# Altium PCB counter.PcbDoc (continued)
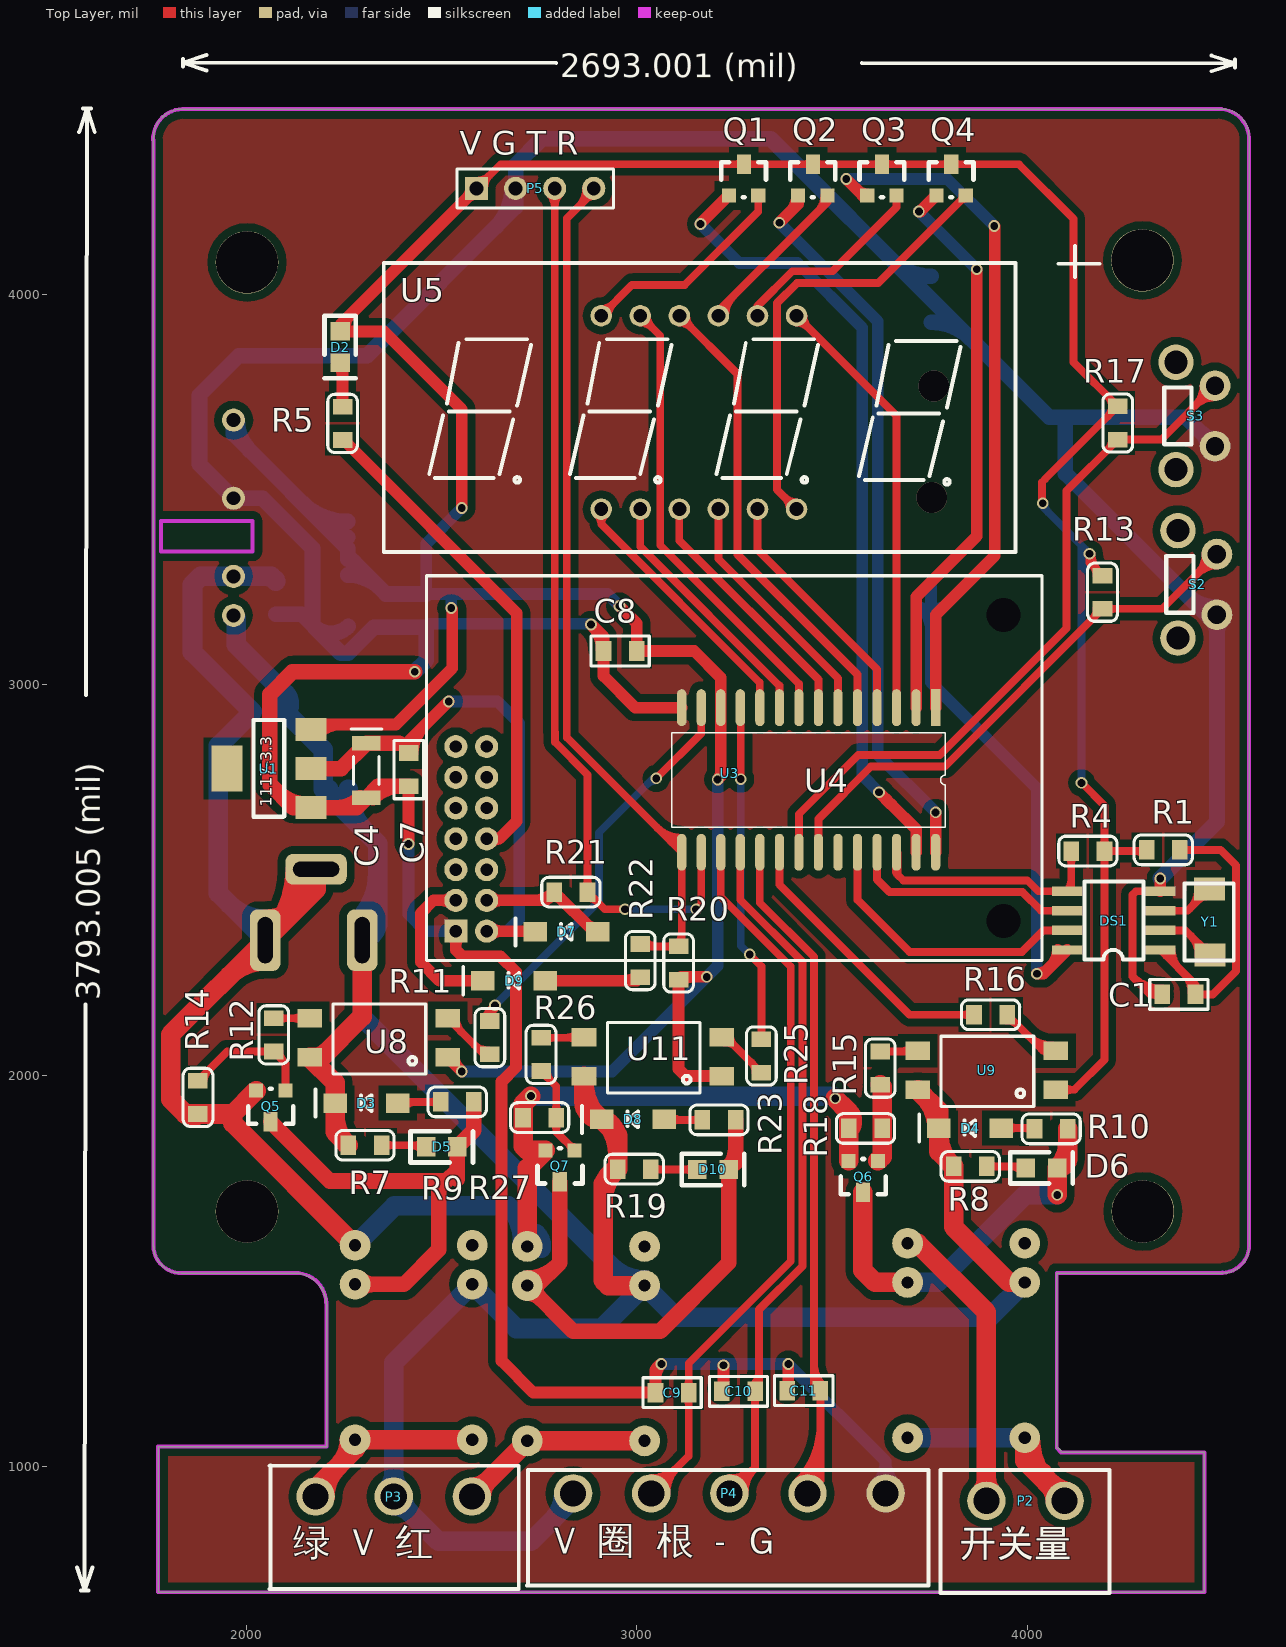
[diagram p0: Top Layer view]
## Nets (pads, with @x,y where several pads share a name; then routed paths per layer and width w, separated by ;. In a path a pad name is that pad's centre, name@x,y a point inside that pad or via, vN(x,y) a via of type N, cw(c..) or ccw(c..) an arc to the next point about the centre after c; other vN are vias at no path point)
COUNT_NUM: C10.2 P4.3 U4.18 | length 2013.5
  Top Layer w20: P4.3 3303,997 ; P4.3@3237.4,970.21 ccw(c3238.32,1061.67) 3303,997 ; U4.18 3265,2450.57 3424,2291.57 3424,1512.57 3313,1401.57 3313,1202 C10.2 3303,997 ; P4.3@3276.21,931.4 cw(c3367.67,932.32) 3303,997 ; C10.2@3295.93,1179.93 cw(c3278.86,1162.86) 3303,1162.86 cw(c3327.14,1162.86) C10.2@3310.07,1179.93 ; C10.2@3295.93,1204.07 ccw(c3254.72,1245.28) 3313,1245.28
CTR: R16.2 U4.20 | length 756.6
  Top Layer w20: U4.20 3365,2489.28 3698.28,2156 R16.2 ; R16.2@3855.93,2148.93 ccw(c3838.86,2131.86) 3838.86,2156 ccw(c3838.86,2180.14) R16.2@3855.93,2163.07
CYCLE: C11.2 P4.4 U4.19 | length 2217.3
  Top Layer w20: U4.19 3315,2443 3454,2304 3454,1210 C11.2 3470,964 P4.4 ; P4.4@3409.27,958.73 ccw(c3262.66,1105.34) 3470,1105.34 ; P4.4@3423.41,944.59 ccw(c3310.95,1057.05) 3470,1057.05 ; P4.4@3437.56,930.44 ccw(c3359.23,1008.77) 3470,1008.77 ; C11.2@3454,1213.49 ccw(c3484.49,1213.49) C11.2@3462.93,1191.93 ; 3454,1261.77 ccw(c3532.77,1261.77) C11.2@3477.07,1206.07 ; C11.2@3462.93,1181.93 cw(c3445.86,1164.86) 3470,1164.86 cw(c3494.14,1164.86) C11.2@3477.07,1181.93
DS_I/O: DS1.6 U4.25 | length 589.9
  Top Layer w20: U4.25 3615,2502 3647,2470 3987,2470 4035,2422 DS1.6
DS_RST: DS1.5 R4.2 U4.26 | length 708.5
  Top Layer w20: U4.26 3667,2569.92 3667,2515 ; U4.26@3666.36,2535.29 ccw(c3677.49,2525.49) 3667,2515 ; DS1.5@4100.61,2473.28 ccw(c4073.11,2500.78) 4112,2500.78 ; R4.2@4104.93,2562.93 cw(c4087.86,2545.86) 4112,2545.86 cw(c4136.14,2545.86) R4.2@4119.07,2562.93 ; R4.2 4112,2482.11 DS1.5 4027.43,2472 3999.43,2500 3682,2500 3667,2515
DS_SCLK: DS1.7 U4.24 | length 736.7
  Top Layer w20: U4.24 3565,2450 3698,2317 3986,2317 4041,2372 DS1.7
GND: BAT1.2 C1.1 C3.2 C4.2 C6.1 C7.1 C8.1 C9.1 C10.1 C11.1 DS1.4 P4.5 P5.2 R24.1 S2.1 S3.1 U1.1 U2.3 U3.1 U4.14 | length 12869.9
  Top Layer w20: 4302.67,2220.33 ccw(c4344.51,2262.17) C1.1@4345.1,2203 ; C1.1@4337.93,2200.93 ccw(c4320.86,2183.86) 4320.86,2208 ccw(c4320.86,2232.14) C1.1@4337.93,2215.07 ; DS1.4 4278,2472 4269,2463 4269,2254 ; C1.1@4344.9,2223 cw(c4343.85,2328.84) 4269,2254 ; C1.1 4315,2208 4269,2254
  Top Layer w30: v1(2416,2593) 2416,2740 C7.1 ; U3.1@2526.73,2359.73 cw(c2501.93,2334.93) 2537,2334.93 cw(c2572.07,2334.93) U3.1@2547.27,2359.73 ; U3.1 2537,2322 2553,2306 2651,2306 2691,2266 2691,2022 2654,1985 2654,1270 2735,1189 C9.1 3048,1247 v1(3063,1262) ; v1(2883,3155) 2915,3123 C8.1 2915,3023 2996,2942 U4.14 ; v1@2884.54,3153.46 cw(c2823.09,3092) C8.1@2910,3092 ; 3048,1225.79 cw(c3099.21,1225.79) v1(3063,1262) ; 3048,1240.79 cw(c3070.5,1240.79) v1(3063,1262) ; C10.1@3214.46,1200.54 ccw(c3196.27,1218.73) 3222,1218.73 ; C10.1 3222,1196 v1(3222,1259) ; C11.1 3388,1197 v1(3388,1262) ; DS1.4 v1(4340,2505)
  Top Layer w40: 2079.88,2727.12 ccw(c2156.16,2803.41) U1.1@2156.16,2695.53 ; 2232.78,2686 ccw(c2232.78,2768.62) C4.2@2291.2,2710.2 ; C4.2@2291.57,2711.28 cw(c2261.35,2707.54) 2282.88,2686 ; C4.2@2324.42,2711.12 cw(c2364.05,2711.12) 2336.03,2739.14 ; C4.2@2324.8,2712.04 cw(c2394.72,2642.11) C7.1@2394.72,2741 ; C7.1 2337.88,2741 C4.2 2282.88,2686 ; v1(2432,3034) 2119,3034 2061,2976 2061,2746 2121,2686 U1.1 2282.88,2686
  Bottom Layer w30: v1(2416,2593) 2416,2413 2459,2370 U3.1 ; C6.1 2470,3157 2881,3157 v1(2883,3155) ; U3.1@2526.73,2359.73 ccw(c2501.93,2334.93) 2501.93,2370 ccw(c2501.93,2405.07) U3.1@2526.73,2380.27 ; v1(3063,1262) v1@3222,1262 ; v1(3222,1259) v1@3222,1262 ; P4.5@3612.93,955.32 ccw(c3555.85,1012.99) 3637,1012.99 ; P4.5 3637,1013 ; P4.5@3661.07,955.32 cw(c3718.15,1012.99) 3637,1012.99 ; 4097,3683 4099,3685 ; v1@3222,1262 v1(3388,1262) 3637,1013
  Bottom Layer w40: R24.1 2143,3181 2170,3154 2170,3350 2042,3478 U2.3 1881,3565 1881,3742 1982,3843 2310,3843 2690,4223 P5.2 2690,4331 2757,4398 3343,4398 BAT1.2 4056,3685 4095,3685 ; C3.2@2261.3,3150.08 cw(c2217.61,3194.61) 2173.5,3150.5 2242.59,3081.41 C3.2 2327.67,3148 C6.1 2461,3063 v1(2432,3034) ; 2639.79,4172.79 ccw(c2541.59,4271) P5.2@2680.47,4271 ; 3653.72,4087.28 ccw(c3754,4187.55) BAT1.2@3754,4045.74 ; BAT1.2@3754,3928.26 cw(c3754,3786.45) 3854.28,3886.72 ; 4097,3683 4097,3541 4458,3180 S2.1 4485,2650 v1(4340,2505) ; 4099,3685 4406,3685 S3.1 ; 4405.84,3232.16 ccw(c4485,3311.32) S2.1@4485,3199.37 ; S3.1@4460.63,3611 ccw(c4413.87,3611) 4446.93,3644.07 ccw(c4480,3677.13) S3.1@4480,3630.37 ; S2.1@4471.3,3166.3 cw(c4438.24,3133.24) 4485,3133.24 cw(c4531.76,3133.24) S2.1@4498.7,3166.3
GND12V: C2.2 C5.2 J1.2 J1.3 Q5.E Q6.E Q7.E R14.1 R18.1 R24.2 R27.1 U2.2 U6.3 U10.3 | length 5659.4
  Top Layer w50: 1834.44,1912.56 ccw(c1872,1950.11) R14.1@1872,1897 ; 1957.54,2255.43 cw(c2049.28,2163.69) J1.2@2049.28,2293.43 ; Q5.E 1966,1902 ; J1.2@2049.28,2400.91 ccw(c2049.28,2530.65) 2141.02,2438.91 ; J1.2@2051.26,2349.15 ccw(c1872.15,2528.27) J1.3@2125.46,2528.27 ; 2136.62,2434.51 ccw(c2042.86,2528.27) J1.3@2175.46,2528.27 ; J1.3 2179.2,2477.09 J1.2 1807,2104.89 1807,1940 1845,1902 R14.1 1966,1902 ; U6.3 1966,1879 1966,1902 ; U10.3 2720,1763 Q7.E 2720,1809 2709,1820 R27.1 2709,1928 v1(2729,1948) ; v1(3508,1942) 3542,1908 ; 3525.37,1924.63 cw(c3470.75,1870) R18.1@3548,1870 ; Q6.E 3542,1908 ; R18.1@3547.33,1867.5 ccw(c3518.28,1884.28) 3542,1908
  Bottom Layer w50: 1957.54,2438.91 ccw(c2049.28,2530.65) J1.2@2049.28,2400.91 ; J1.2 1929.41,2467.03 C2.2 1929.41,2844.41 C5.2 1863,3084 1863,3257 1884,3278 U2.2 2064,3278 R24.2 ; R24.2@2054.1,3278 cw(c2054.1,3249.1) R24.2@2074.54,3269.53 ; U6.3 2380,1667 2671,1667 ; U10.3@2705.75,1564.86 ccw(c2584.64,1580.64) 2671,1667 ; U10.3 2720,1618 2671,1667 ; v1(2729,1948) 3502,1948 v1(3508,1942) ; 2742.82,1595.18 cw(c2711.71,1564.08) U10.3@2755.33,1558.4
KEY1: R13.1 S2.2 U4.22 | length 1563.7
  Top Layer w20: U4.22 3465,2657 3599,2791 3788,2791 R13.1 4345,3195 S2.2 ; 4166.39,3169.39 ccw(c4140.79,3195) R13.1@4177,3195 ; R13.1@4204.07,3187.93 cw(c4221.14,3170.86) 4221.14,3195 cw(c4221.14,3219.14) R13.1@4204.07,3202.07 ; S2.2@4455.63,3335 cw(c4384.72,3335) 4434.86,3284.86 cw(c4485,3234.72) S2.2@4485,3305.63
KEY2: R17.1 S3.2 U4.21 | length 2000.2
  Top Layer w20: U4.21 3415,2669 3567,2821 3775.57,2821 4100,3145.43 4100,3497 R17.1 4342,3628 S3.2 ; 4205.39,3602.39 ccw(c4179.79,3628) R17.1@4216,3628 ; R17.1@4243.07,3620.93 cw(c4260.14,3603.86) 4260.14,3628 cw(c4260.14,3652.14) R17.1@4243.07,3635.07 ; S3.2@4450.63,3766 cw(c4379.72,3766) 4429.86,3715.86 cw(c4480,3665.72) S3.2@4480,3736.63
LED1: R25.1 U4.11 | length 909.3
  Top Layer w20: U4.11 3266,2941 v1(3266,2759) ; v1(3289,2310) 3319,2280 R25.1 ; R25.1@3311.93,2100.07 ccw(c3294.86,2117.14) 3319,2117.14 ccw(c3343.14,2117.14) R25.1@3326.07,2100.07
  Bottom Layer w20: v1(3266,2759) 3266,2333 v1(3289,2310)
LED1A: P3.3 U10.1 | length 593
  Top Layer w50: P3.3 2720,1065 2720,1065.36 U10.1@3020,1065.36 ; P3.3@2578,947.21 ccw(c2578,1005.67) 2619.33,964.33 ccw(c2660.67,923) P3.3@2602.21,923
LED2: R11.1 U4.13 | length 1327.7
  Top Layer w20: R11.1@2616.93,2147.07 ccw(c2599.86,2164.14) 2624,2164.14 ccw(c2648.14,2164.14) R11.1@2631.07,2147.07 ; R11.1@2621.66,2133.21 cw(c2638.65,2148.92) 2622.29,2165.29 ; R11.1@2624,2137.94 cw(c2677.13,2137.94) v1@2640.45,2176.38 ; R11.1 2624,2167 v1(2637,2180) ccw(c2653.95,2163.05) R11.1@2636.34,2146.79 ; 2624,2161.62 cw(c2637.39,2161.62) v1@2637.11,2175 ; v1(3050,2761) 3165,2876 U4.13 ; R11.1@2621.65,2132.28 cw(c2684.36,2131.6) 2640.5,2176.43 ccw(c2684.36,2131.6) R11.1@2621.65,2132.28
  Bottom Layer w20: v1(2637,2180) 2903,2446 2903,2622 3042,2761 v1(3050,2761) ; 3027.81,2746.81 cw(c3050,2724.62) v1@3050,2756
LED2A: P3.1 U6.1 | length 644.5
  Top Layer w50: P3.1 2178,943 2279,1044 2279,1068.36 U6.1@2579,1068.36 ; P3.1@2202.21,923 cw(c2308.95,923) 2233.48,998.48 ; 2237.24,1002.24 ccw(c2171.12,1068.36) U6.1@2264.63,1068.36
NetBAT1_1: BAT1.1 DS1.8 | length 1413.4
  Top Layer w30: 4052.83,2272.94 cw(c4024,2301.78) v1(4024,2261) 4040.89,2261 DS1.8 ; 4060.29,2280.4 ccw(c4018.69,2322) DS1.8@4077.52,2322
  Bottom Layer w30: BAT1.1@3728.81,3197.28 cw(c3670.4,3138.88) 3753,3138.88 cw(c3835.6,3138.88) BAT1.1@3777.19,3197.28 ; BAT1.1 3753,3007 4024,2736 v1(4024,2261)
NetC1_2: C1.2 DS1.1 R1.1 | length 915
  Top Layer w20: DS1.1 4430,2232 C1.2 4474,2208 4534,2268 4534,2538 4494,2578 R1.1 ; DS1.1@4349.37,2322 ccw(c4371.99,2322) 4356,2306 ; DS1.1@4369.37,2322 ccw(c4440.28,2322) 4390.14,2271.86 ; R1.1@4397.07,2570.93 cw(c4414.14,2553.86) 4414.14,2578 cw(c4414.14,2602.14) R1.1@4397.07,2585.07 ; 4399.49,2262.51 cw(c4349.99,2213) C1.2@4420,2213 ; C1.2@4437.07,2200.93 cw(c4454.14,2183.86) 4454.14,2208 cw(c4454.14,2232.14) C1.2@4437.07,2215.07
NetD2_K: D2.K R5.2 | length 145.3
  Top Layer w30: D2.K@2235.89,3818.9 cw(c2209.06,3792.08) 2247,3792.08 ; D2.K 2247,3819 R5.2
NetD3_A: D3.A R9.1 | length 206
  Top Layer w20: D3.A 2391,1933 R9.1 ; D3.A@2403.61,1919.39 cw(c2436.46,1886.54) 2436.46,1933 ; D3.A@2403.61,1940.61 ccw(c2421.97,1958.97) 2421.97,1933 ; R9.1@2490.93,1925.93 ccw(c2473.86,1908.86) 2473.86,1933 ccw(c2473.86,1957.14) R9.1@2490.93,1940.07
NetD4_A: D4.A R10.2 | length 164.2
  Top Layer w20: D4.A R10.2@4016,1866 ; D4.A@3948.61,1855.39 cw(c3974.21,1829.79) 3974.21,1866 cw(c3974.21,1902.21) D4.A@3948.61,1876.61 ; 3989.03,1866 cw(c3989.03,1835.03) R10.2@4010.93,1856.93
NetD5_A: D5.A R7.2 | length 205.2
  Top Layer w20: R7.2 2457,1822 D5.A ; R7.2@2354.07,1814.93 cw(c2371.14,1797.86) 2371.14,1822 cw(c2371.14,1846.14) R7.2@2354.07,1829.07 ; 2420.83,1822 cw(c2420.83,1778.82) D5.A@2451.37,1809.35 ; 2435.39,1822 ccw(c2435.39,1844.59) D5.A@2451.37,1828.62
NetD5_K: D5.K Q5.C R9.2 U6.5 | length 1275.9
  Top Layer w40: Q5.C 2214.5,1730.5 2512.5,1730.5 ; U6.5 2404,1466 2493,1555 2493,1711 2512.5,1730.5 ; U6.5@2292.7,1452.3 cw(c2325.76,1419.24) 2325.76,1466 cw(c2325.76,1512.76) U6.5@2292.7,1479.7 ; 2541,1735 2541,1759 ; R9.2 2583,1860 D5.K 2541,1759 ; 2512.5,1730.5 2541,1759
NetD6_A: D6.A R8.1 | length 185.6
  Top Layer w20: R8.1 D6.A@3992,1768 ; R8.1@3903.07,1760.93 cw(c3920.14,1743.86) 3920.14,1768 cw(c3920.14,1792.14) R8.1@3903.07,1775.07 ; 3955.83,1768 cw(c3955.83,1724.82) D6.A@3986.37,1755.35 ; 3970.39,1768 ccw(c3970.39,1790.59) D6.A@3986.37,1774.62
NetD6_K: D6.K Q6.C R10.1 U7.5 | length 1095.2
  Top Layer w50: Q6.C 3579,1502 3610,1471 U7.5 ; v1(4076,1695) D6.K 4103,1791 ; D6.K@4076.02,1763.61 ccw(c4075.6,1791) 4103,1791 ; D6.K@4076.97,1764.01 ccw(c4014.14,1826.84) 4103,1826.84 ; R10.1 4103,1791
  Bottom Layer w50: U7.5 3770,1471 3994,1695 v1(4076,1695)
NetD8_A: D8.A R23.1 | length 193.2
  Top Layer w20: D8.A 3071,1887 R23.1 ; D8.A@3085.61,1877.39 cw(c3108.8,1854.2) 3108.8,1887 ; D8.A@3085.61,1898.61 ccw(c3113.63,1926.63) 3113.63,1887 ; R23.1@3160.93,1879.93 ccw(c3143.86,1862.86) 3143.86,1887 ccw(c3143.86,1911.14) R23.1@3160.93,1894.07
NetD9_A: D9.A R22.2 | length 280.3
  Top Layer w30: D9.A 3000,2243 R22.2 ; 2970.2,2243 ccw(c2970.2,2285.8) R22.2@3000.46,2255.54
NetD10_A: D10.A R19.2 | length 207.6
  Top Layer w20: R19.2@3037,1760 D10.A ; R19.2@3043.07,1753.93 cw(c3057.73,1739.27) 3057.73,1760 ; R19.2@3043.07,1768.07 ccw(c3062.56,1787.56) 3062.56,1760 ; D10.A@3145.37,1750.37 ccw(c3122.11,1727.11) 3122.11,1760 ccw(c3122.11,1792.89) D10.A@3145.37,1769.63
NetD10_K: D10.K Q7.C R23.2 U10.5 | length 1537.2
  Top Layer w40: U10.5@2720,1443.63 cw(c2720,1396.87) 2753.07,1429.93 cw(c2786.13,1463) U10.5@2739.37,1463 ; U10.5@2720,1482.37 ccw(c2720,1589.49) 2795.74,1513.74 ; Q7.C 2803,1521 2745,1463 U10.5 2837,1346 3060,1346 3235,1521 3235,1716 D10.K 3253,1778 R23.2 ; D10.K@3232.44,1763.55 ccw(c3182.8,1813.18) 3253,1813.18
NetDS1_2: DS1.2 Y1.1 | length 227.1
  Top Layer w20: DS1.2 4404,2372 Y1.1 ; 4416.86,2359.14 cw(c4366.72,2309) Y1.1@4437.63,2309 ; Y1.1@4440.62,2335.38 ccw(c4457.16,2351.91) Y1.1@4457.16,2328.53
NetDS1_3: DS1.3 Y1.2 | length 223.2
  Top Layer w20: DS1.3 4410,2422 Y1.2 ; 4415.86,2427.86 ccw(c4365.72,2478) Y1.2@4436.63,2478 ; Y1.2@4439.62,2451.62 cw(c4456.16,2435.09) Y1.2@4456.16,2458.47
NetP2_1: P2.1 U7.3 | length 849.7
  Top Layer w50: U7.3 3719,1571 3895,1395 P2.1 ; P2.1@3877.88,929.12 ccw(c3836.55,970.45) 3895,970.45 ccw(c3953.45,970.45) P2.1@3912.12,929.12
NetP2_2: P2.2 U7.1 | length 858.8
  Top Layer w50: U7.1@3993,1073.36 3993,1014 P2.2 ; U7.1@4007.37,1073.36 ccw(c4185.38,1073.36) 4059.51,947.49 ; 4038.84,983.29 ccw(c4127.88,1034.69) P2.2@4101.27,935.39 ; 4055.76,953.99 ccw(c4087.38,972.24) P2.2@4091.96,936.02 ; P2.2@4070.79,912 ccw(c4012.33,912) 4053.67,953.33 ccw(c4095,994.67) P2.2@4095,936.21
  Bottom Layer w50: U7.1@3693,1073.36 U7.1@3993,1073.36
NetQ1_E: Q1.E U5.12 | length 650.5
  Top Layer w20: U5.12 2988,4024 3123,4024 3311,4212 Q1.E ; U5.12@2909,3962.56 ccw(c2909,4004.95) 2938.98,3974.98 ccw(c2968.95,3945) U5.12@2926.56,3945 ; Q1.E@3305.34,4247.34 cw(c3291.69,4233.69) 3311,4233.69 cw(c3330.31,4233.69) Q1.E@3316.66,4247.34
NetQ2_E: Q2.E U5.9 | length 527
  Top Layer w20: U5.9 3209,3957 3441,4189 3488,4236 Q2.E ; U5.9@3226.56,3945 cw(c3297.92,3945) 3247.46,3995.46 ; 3462.32,4210.32 ccw(c3419.64,4253) Q2.E@3480,4253
NetQ3_E: Q3.E U5.8 | length 546.1
  Top Layer w20: U5.8 3309,3970 3398,4059 3501,4059 3665,4223 Q3.E ; Q3.E@3659.34,4247.34 cw(c3645.69,4233.69) 3665,4233.69 cw(c3684.31,4233.69) Q3.E@3670.66,4247.34
NetQ4_E: Q4.E U5.6 | length 1242.3
  Top Layer w20: U5.6@3391.44,3450 ccw(c3349.05,3450) 3379.02,3479.98 ccw(c3409,3509.95) U5.6@3409,3467.56 ; U5.6 3359,3500 3359,3977.57 3410.43,4029 3618,4029 3707,4118 Q4.E ; Q4.E@3834,4253 cw(c3814.69,4253) 3828.34,4239.34 cw(c3842,4225.69) Q4.E@3842,4245
NetQ5_B: Q5.B R12.2 R14.2 | length 462.6
  Top Layer w20: R14.2 1952,2062 R12.2 2101,2032 Q5.B ; R14.2@1892,1987 cw(c1928.21,1987) 1902.61,2012.61 ; R12.2@2058.93,2054.93 ccw(c2041.86,2037.86) 2041.86,2062 ccw(c2041.86,2086.14) R12.2@2058.93,2069.07 ; R12.2@2086,2062 ccw(c2122.21,2062) 2096.61,2036.39 ; Q5.B@2095.34,1967.66 ccw(c2081.69,1981.31) 2101,1981.31 ccw(c2120.31,1981.31) Q5.B@2106.66,1967.66
NetQ6_B: Q6.B R15.1 R18.2 | length 201.6
  Top Layer w50: Q6.B 3628,1793 R18.2 3628,1972 R15.1
NetQ7_B: Q7.B R26.2 R27.2 | length 373.2
  Top Layer w20: R26.2 2794,1973 R27.2 2794,1856 Q7.B ; R26.2@2770,2012 ccw(c2806.21,2012) 2780.61,1986.39 ; R27.2@2786.93,1880.93 cw(c2769.86,1863.86) 2794,1863.86 cw(c2818.14,1863.86) R27.2@2801.07,1880.93 ; R27.2@2786.93,1905.07 ccw(c2769.86,1922.14) 2794,1922.14 ccw(c2818.14,1922.14) R27.2@2801.07,1905.07 ; Q7.B@2833,1809 ccw(c2813.69,1809) 2827.34,1822.66 ccw(c2841,1836.31) Q7.B@2841,1817
NetR5_1: R5.1 U3.8 | length 1307.2
  Top Layer w30: R5.1 2250,3627 2693,3184 2693,2651 2648.22,2606.22 ; U3.8 2648.22,2606.22 ; U3.8@2626.57,2596.54 cw(c2648.22,2577.18) 2648.22,2606.22 ; U3.8@2626.57,2615.91 ccw(c2648.22,2635.27) 2648.22,2606.22
NetR11_2: R11.2 U8.2 | length 226.7
  Top Layer w20: U8.2 2608,2055 R11.2 ; U8.2@2537.5,2147 ccw(c2589.39,2147) 2552.7,2110.3 ; 2583.15,2079.85 ccw(c2619,2115.7) R11.2@2619,2065
NetR12_1: R12.1 U8.3 | length 181.6
  Top Layer w20: R12.1 U8.3 ; R12.1@2083.07,2139.93 cw(c2100.14,2122.86) 2100.14,2147 cw(c2100.14,2171.14) R12.1@2083.07,2154.07 ; U8.3@2145.49,2137.37 ccw(c2122.24,2114.11) 2122.24,2147 ccw(c2122.24,2179.89) U8.3@2145.49,2156.63
NetR15_2: R15.2 U9.3 | length 183.6
  Top Layer w20: R15.2 U9.3@3717,2062 ; R15.2@3635.07,2054.93 cw(c3652.14,2037.86) 3652.14,2062 cw(c3652.14,2086.14) R15.2@3635.07,2069.07 ; 3673.41,2062 ccw(c3673.41,2101.71) U9.3@3701.49,2073.63 ; 3683.07,2062 cw(c3683.07,2035.94) U9.3@3701.49,2054.37
NetR16_1: R16.1 U9.2 | length 325.7
  Top Layer w20: R16.1@3948,2141 cw(c3948,2104.79) 3973.61,2130.39 ; R16.1 4040,2064 ; 3999.69,2104.31 ccw(c4064.13,2168.75) U9.2@4064.13,2077.62 ; 4033.83,2070.17 ccw(c4064.13,2100.47) U9.2@4064.13,2057.62 ; U9.2@4052.46,2056.96 ccw(c4040,2049.45) 4040,2064 ; U9.2@4052.46,2071.04 cw(c4040,2078.55) 4040,2064 ; U9.2 4040,2064
NetR25_2: R25.2 U11.2 | length 218.8
  Top Layer w20: U11.2 3228,2099 R25.2 ; U11.2@3225.87,2085.38 cw(c3225.87,2047.36) 3252.76,2074.24 ; U11.2@3239.5,2099 ccw(c3267.25,2099) U11.2@3247.62,2079.38 ; 3293.39,2033.61 cw(c3267.79,2008) R25.2@3304,2008
NetR26_1: R26.1 U11.3 | length 200.4
  Top Layer w20: R26.1 2863,2097 U11.3 ; R26.1@2767.07,2089.93 cw(c2784.14,2072.86) 2784.14,2097 cw(c2784.14,2121.14) R26.1@2767.07,2104.07 ; 2819.41,2097 ccw(c2819.41,2136.71) U11.3@2847.49,2108.63 ; 2829.07,2097 cw(c2829.07,2070.94) U11.3@2847.49,2089.37
P10: U4.3 U5.7 | length 1175.6
  Top Layer w20: U5.7@3409,3927.44 cw(c3409,3885.05) 3438.98,3915.02 cw(c3468.95,3945) U5.7@3426.56,3945 ; U5.7 3665,3689 U4.3
P11: U4.4 U5.5 | length 634.7
  Top Layer w20: U5.5 3309,3346 3615,3040 U4.4
P12: U4.5 U5.10 | length 1258.5
  Top Layer w20: U5.10@3109,3927.44 cw(c3109,3885.05) 3138.98,3915.02 cw(c3168.95,3945) U5.10@3126.56,3945 ; U5.10 3258,3796 3258,3334 3565,3027 U4.5
P13: U4.6 U5.4 | length 634.7
  Top Layer w20: U5.4 3209,3323 3515,3017 U4.6
P14: U4.7 U5.3 | length 655.5
  Top Layer w20: U5.3 3109,3370 3465,3014 U4.7
P15: U4.8 U5.11 | length 1237.8
  Top Layer w20: U5.11@3009,3927.44 cw(c3009,3885.05) 3038.98,3915.02 cw(c3068.95,3945) U5.11@3026.56,3945 ; U5.11 3060,3894 3060,3358 3415,3003 U4.8
P16: U4.9 U5.2 | length 655.5
  Top Layer w20: U5.2 3009,3354.43 3365,2998.43 U4.9
P17: U4.10 U5.1 | length 732.2
  Top Layer w20: U5.1@2897.62,3436.63 cw(c2876.67,3412) 2909,3412 ; U5.1 2909,3412 ; U5.1@2920.38,3436.63 ccw(c2941.33,3412) 2909,3412 ; U4.10 3315,3006 2909,3412
RES_COUNT: C9.2 P4.2 U4.17 | length 2087.5
  Top Layer w20: P4.2 3133,1027 C9.2 3133,1264 3394,1525 3394,2279.15 3215,2458.15 U4.17 ; P4.2@3037,970.21 ccw(c3037,1064.88) 3103.94,997.94 ccw(c3170.88,931) P4.2@3076.21,931 ; C9.2@3125.93,1176.93 cw(c3108.86,1159.86) 3133,1159.86 cw(c3157.14,1159.86) C9.2@3140.07,1176.93 ; C9.2@3125.93,1201.07 ccw(c3108.86,1218.14) 3133,1218.14 ccw(c3157.14,1218.14) C9.2@3140.07,1201.07
RXD: P5.4 R20.2 R22.1 U4.15 | length 2471.5
  Top Layer w20: 2851.01,4224.01 ccw(c2804.02,4271) P5.4@2870.47,4271 ; 2870.32,4243.32 cw(c2890,4223.64) P5.4@2890,4251.47 ; P5.4 2890,4263 2821,4194 2821,2865.92 U4.15 3115,2339 R20.2 3015,2331 R22.1 ; R22.1@3021.07,2344.07 ccw(c3052.63,2375.63) 3052.63,2331 ; 3051.42,2635.5 ccw(c3115,2699.08) U4.15@3115,2609.17 ; 3085.56,2601.36 ccw(c3115,2630.8) U4.15@3115,2589.17 ; R20.2@3094.93,2323.93 ccw(c3077.86,2306.86) 3077.86,2331 ccw(c3077.86,2355.14) R20.2@3094.93,2338.07 ; R20.2@3104.93,2338.07 ccw(c3080.62,2362.38) 3115,2362.38
TXD: P5.3 R21.1 U4.16 | length 2423.7
  Top Layer w20: P5.3@2776.19,4257.19 cw(c2742.86,4223.86) 2790,4223.86 cw(c2837.14,4223.86) P5.3@2803.81,4257.19 ; P5.3 2790,2880 2791,2879 2791,2853.5 2874,2770.5 R21.1 2918,2426 v1(2970,2426) ; R21.1@2866.93,2482.07 ccw(c2849.86,2499.14) 2874,2499.14 ccw(c2898.14,2499.14) R21.1@2881.07,2482.07 ; R21.1@2874,2455 cw(c2874,2418.79) 2899.61,2444.39 ; v1(3152,2426) 3165,2439 U4.16
  Bottom Layer w20: v1(2970,2426) v1(3152,2426)
UART_RXD: D7.A R21.2 U3.4 | length 508
  Top Layer w30: U3.4 2767.74,2448.74 R21.2 2891,2368 D7.A ; U3.4@2626.01,2438.47 cw(c2650.81,2413.67) 2650.81,2448.74 cw(c2650.81,2483.81) U3.4@2626.01,2459.01 ; 2737.67,2448.74 ccw(c2737.67,2516.33) R21.2@2785.46,2468.54 ; R21.2@2771.93,2452.93 cw(c2789,2435.86) 2789,2460 cw(c2789,2435.86) R21.2@2806.07,2452.93 ; D7.A@2871.1,2387.9 ccw(c2895,2411.8) D7.A@2895,2378
UART_TXD: D9.K U3.3 | length 462.5
  Top Layer w30: U3.3@2526.73,2438.47 ccw(c2501.93,2413.67) 2501.93,2448.74 ccw(c2501.93,2483.81) U3.3@2526.73,2459.01 ; U3.3 2479.74,2448.74 2447,2416 2447,2291 2495,2243 D9.K
VCC2LOW: C2.1 C5.1 D3.K D4.K D8.K J1.1 P3.2 P4.1 R7.1 R8.2 R19.1 U2.1 U6.4 U7.4 U8.4 U9.4 U10.4 U11.4 | length 8543.3
  Top Layer w50: U8.4@2170.87,2045.62 ccw(c2170.87,2095.71) 2206.29,2060.29 ; 2228,1897.01 ccw(c2332.01,1897.01) R7.1@2258.46,1823.46 ; R7.1 2228,1856 D3.K 2228,1982 U8.4 2193,2047 2297.31,2151.31 J1.1 ; U11.4@2865,1984.57 ccw(c3001.57,1984.57) 2905,1888 cw(c2910.31,1933) 2865,1933 ; U11.4 2865,1933 ; 2914,1678.75 cw(c3028.25,1678.75) R19.1@2947.46,1759.54 ; 2914,1707.08 cw(c2972.39,1707.08) R19.1@2949,1760.58 ; 2951,1801.09 ccw(c2828.09,1801.09) 2915,1888 cw(c2891.66,1833.44) 2951,1833.44 ; U10.4 2927,1463 2914,1476 2914,1724 R19.1 2951,1847 D8.K 2865,1933 ; U9.4 3773,1910 D4.K 3773,1806 R8.2 3811,1613 3953,1471 U7.4@3987.82,1471 ; U9.4@3733.35,1949.65 cw(c3649.7,1866) D4.K@3768,1866 ; D4.K@3773,1852.67 ccw(c3890.67,1852.67) R8.2@3807.46,1769.46
  Bottom Layer w50: U2.1@1964.8,3174.8 cw(c1938.96,3148.96) 1975.5,3148.96 ; U2.1 1975.5,3170.5 1975.5,3102.5 2101,2977 ; 2080.54,2997.46 cw(c2019.09,2936) C5.1@2106,2936 ; C5.1@2105.13,2933.19 ccw(c2076.6,2952.6) 2101,2977 ; C2.1@2211.58,2733 ccw(c2244.37,2733) 2221.19,2709.81 ; C2.1@2261.58,2733 ccw(c2415.08,2733) 2306.54,2624.46 ; J1.1@2287.15,2396.7 ccw(c2166.79,2517.05) 2337,2517.05 ; J1.1@2322.5,2361.34 ccw(c2287.5,2396.34) 2337,2396.34 ; P3.2@2360.88,940.12 ccw(c2319.55,981.45) 2378,981.45 ccw(c2436.45,981.45) P3.2@2395.12,940.12 ; P3.2@2378,898.79 cw(c2378,840.33) 2419.33,881.67 cw(c2460.67,923) P3.2@2402.21,923 ; 2785.06,864.06 ccw(c2718.12,931) P4.1@2812.79,931 ; P4.1 2837,916 2729,808 2493,808 P3.2 2378,1265 U6.4 2692,1353 2910,1353 U10.4 ; 2934.01,1512.99 ccw(c3020,1598.97) U10.4@3020,1477.37 ; U7.4 3904,1382 3101,1382 U10.4 ; 2101,2977 C5.1 2198,2834 C2.1 2337,2594 2337,2386.86 J1.1 2297.31,2149.69 2984,1463 U10.4
VCC_3.3V: C4.1 C7.2 D7.K U1.2 U3.2 | length 1563.6
  Top Layer w30: C7.2 2417,2856 v1(2519,2958) ; C7.2@2427,2826 cw(c2523.57,2826) 2455.28,2894.28 ; U3.2 2738,2370 D7.K ; U3.2@2626.01,2359.73 cw(c2650.81,2334.93) 2650.81,2370 cw(c2650.81,2405.07) U3.2@2626.01,2380.27 ; 2706.03,2370 cw(c2706.03,2339.03) D7.K@2727.93,2360.93
  Top Layer w40: U1.2 2243.12,2786 C4.1 2392.12,2850.88
  Bottom Layer w30: v1(2519,2958) 2643,2958 2699,2902 2699,2400 2669,2370 U3.2 ; U3.2@2626.01,2359.73 cw(c2650.81,2334.93) 2650.81,2370 cw(c2650.81,2405.07) U3.2@2626.01,2380.27
VCC_5V: C3.1 C6.2 C8.2 D2.A P5.1 Q1.C Q2.C Q3.C Q4.C R1.2 R4.1 R13.2 R17.2 R20.1 U1.3 U2.4 U4.12 U8.1 U9.1 U11.1 | length 11307.9
  Top Layer w20: P5.1 2652,4333 Q1.C Q2.C Q3.C Q4.C 3978,4333 4118,4193 4118,3826 R17.2 4044.5,3526.5 ; P5.1@2590,4290.53 ccw(c2590,4337.67) 2623.34,4304.34 ccw(c2656.67,4271) P5.1@2609.53,4271 ; Q1.C@3268.34,4327.34 ccw(c3254.69,4313.69) 3254.69,4333 ccw(c3254.69,4352.31) Q1.C@3268.34,4338.66 ; Q1.C@3279.66,4327.34 cw(c3293.31,4313.69) 3293.31,4333 cw(c3293.31,4352.31) Q1.C@3279.66,4338.66 ; Q2.C@3445.34,4327.34 ccw(c3431.69,4313.69) 3431.69,4333 ccw(c3431.69,4352.31) Q2.C@3445.34,4338.66 ; Q2.C@3456.66,4327.34 cw(c3470.31,4313.69) 3470.31,4333 cw(c3470.31,4352.31) Q2.C@3456.66,4338.66 ; Q3.C@3622.34,4327.34 ccw(c3608.69,4313.69) 3608.69,4333 ccw(c3608.69,4352.31) Q3.C@3622.34,4338.66 ; Q3.C@3633.66,4327.34 cw(c3647.31,4313.69) 3647.31,4333 cw(c3647.31,4352.31) Q3.C@3633.66,4338.66 ; Q4.C@3799.34,4327.34 ccw(c3785.69,4313.69) 3785.69,4333 ccw(c3785.69,4352.31) Q4.C@3799.34,4338.66 ; Q4.C@3810.66,4327.34 cw(c3824.31,4313.69) 3824.31,4333 cw(c3824.31,4352.31) Q4.C@3810.66,4338.66 ; 4037,3481.9 ccw(c4055.9,3481.9) v1@4042.54,3468.54 ; 4037,3519 4037,3467 v1(4039,3465) ; U9.1 4120,1964 4197,2041 R4.1 ; U9.1@4089.51,1954.37 cw(c4112.76,1931.11) 4112.76,1964 cw(c4112.76,1996.89) U9.1@4089.51,1973.63 ; v1(4138.5,2749.5) 4197,2691 R4.1 ; v1(4159,3336) 4159,3313 R13.2 ; v1@4164,3336 ccw(c4231.6,3336) R13.2@4183.8,3288.2 ; 4166.39,3305.61 cw(c4140.79,3280) R13.2@4177,3280 ; R4.1@4189.93,2562.93 cw(c4172.86,2545.86) 4197,2545.86 cw(c4221.14,2545.86) R4.1@4204.07,2562.93 ; R4.1@4189.93,2587.07 ccw(c4172.86,2604.14) 4197,2604.14 ccw(c4221.14,2604.14) R4.1@4204.07,2587.07 ; R4.1@4204.07,2567.93 cw(c4221.14,2550.86) 4221.14,2575 cw(c4221.14,2599.14) R4.1@4204.07,2582.07 ; 4205.39,3687.39 ccw(c4179.79,3713) 4216,3713 ccw(c4179.79,3713) 4205.39,3738.61 ; 4276.03,2575 cw(c4276.03,2544.03) R1.2@4297.93,2565.93 ; R1.2@4302,2575 R4.1
  Top Layer w30: U1.3@2179,2899 2384,2899 2528,3043 2528,3194 v1(2525,3197) ; U1.3@2186.12,2875.73 cw(c2242.3,2819.54) 2242.3,2899 ; D2.A@2250.61,3905 cw(c2314.84,3905) 2269.42,3950.42 ; U8.1 v1(2552,2011) ; U8.1@2532.5,2047 ccw(c2572.32,2047) v1@2544.16,2018.84 ; v1(2552,3453) 2552,3706 2353,3905 D2.A 2241,3922 P5.1 ; P5.1@2575.47,4271 cw(c2540.4,4271) 2565.2,4246.2 cw(c2590,4221.4) P5.1@2590,4256.47 ; v1(2956,3202) 3000,3158 C8.2 3147,3087 3215,3019 U4.12 3215,2766 v1(3207,2758) ccw(c3187.69,2777.31) 3215,2777.31 ; R20.1@3115.54,2242.46 cw(c3140.97,2217.03) 3140.97,2253 ; v1(3179,2253) 3114,2253 R20.1 3107,2017 3125,1999 U11.1
  Bottom Layer w20: v1(4039,3465) 4039,3456 4138.5,3356.5 ; v1@4044,3465 ccw(c4077.8,3465) 4053.9,3441.1 ; v1(4138.5,2749.5) 4138.5,3356.5 ; 4138.5,3274.44 cw(c4220.56,3274.44) v1@4162.54,3332.46 ; 4138.5,3322.72 cw(c4172.28,3322.72) v1@4148.39,3346.61 ; v1(4159,3336) 4138.5,3356.5
  Bottom Layer w30: 2520,3233 2525,3228 v1(2525,3197) ; v1(2552,2011) 2937,2011 v1(3179,2253) 3207,2281 v1(3207,2758) ; v1(2552,3453) 2461,3362 C6.2 2925,3233 v1(2956,3202)
  Bottom Layer w40: U2.4 1968,3642 C3.1 2260,3331 2358,3233 C6.2 ; U2.4@1977.53,3678 ccw(c2087.44,3678) 2009.72,3600.28 ; 2142.92,3467.08 ccw(c2260,3584.16) C3.1@2260,3418.58 ; 2211.21,3398.79 ccw(c2260,3447.59) C3.1@2260,3378.58 ; C3.1@2260,3281.42 cw(c2260,3161.71) 2344.64,3246.36 ; C3.1@2260,3321.42 cw(c2260,3298.28) C3.1@2276.36,3314.64
W1: Q1.B U4.27 | length 2045.6
  Top Layer w30: v1(3163,4180) Q1.B ; v1(3620,2725.5) 3651.5,2694 3652,2694 ; 3639,2707 3652,2694 ; U4.27 3715,2631 3652,2694
  Bottom Layer w30: v1(3163,4180) 3263,4080 3411.43,4080 3577,3914.43 3577,2768.5 v1(3620,2725.5)
W2: Q2.B U4.28 | length 1914
  Top Layer w30: v1(3365,4183) 3413,4231 Q2.B ; 3392.32,4210.32 ccw(c3349.64,4253) Q2.B@3410,4253 ; U4.28 v1(3765,2674)
  Bottom Layer w30: v1(3365,4183) 3617,3931 3617,2822 v1(3765,2674)
W3: Q3.B U4.1 | length 1824.5
  Top Layer w30: v1(3536,4295) 3578,4253 Q3.B ; 3564.39,4266.61 ccw(c3590,4292.21) Q3.B@3590,4256 ; U4.1 3765,3180 3916,3331 3916,4174 v1(3915,4175)
  Bottom Layer w30: v1(3536,4295) 3795,4295 v1(3915,4175)
W4: Q4.B U4.2 | length 1457.5
  Top Layer w30: U4.2 3715,3226 3870,3381 v1(3870,4064) ; v1(3722,4212) 3726,4212 Q4.B
  Bottom Layer w30: v1(3722,4212) v1(3870,4064)
pads on no net: S2.3 S2.4 S3.3 S3.4 U1.4 U3.0 U3.5 U3.6 U3.7 U3.9 U3.10 U3.11 U3.12 U3.13 U3.14 U4.23 U6.2 U7.2 U10.2
copper on no net:
  other v2: 3755,3480 3760,3765

## Polygon pours and split planes (outlines as drawn)
GND on Top Layer "Bottom Overlay-No Net" (solid, remove dead copper, pour order 6): 1762.03,4394.94 cw(c1841.09,4394.94) 1841.09,4474 1870,4474 4495.17,4474 cw(c4495.17,4402.17) 4567,4402.17 4567,1570 cw(c4492,1570) 4492,1495 4075,1495 4075,1047 4080,1047 cw(c4080,1036) 4091,1036 4452.87,1036 4452.87,678 cw(c4447.87,678) 4447.87,673 1764,673 ccw(c1764,684) 1775,684 1775,1051 2206,1051 2206,1370 2206,1401 ccw(c2106,1401) 2106,1501 2088,1501 1834,1501 cw(c1834,1574) 1761,1574
GND on Bottom Layer "Bottom Overlay-No Net" (solid, remove dead copper, pour order 8): 4246,4474 ccw(c4248,4474) 4248,4472 4480,4472 cw(c4480,4383) 4569,4383 4569,1569.24 cw(c4567,1569.24) 4567,1567.24 4567,1557 cw(c4505,1557) 4505,1495 4435,1495 4075,1495 4075,1047 cw(c4075,1036) 4086,1036 4452.87,1036 4452.87,678 1775,678 1775,1051 2206,1051 cw(c2206,1131.31) 2125.69,1131.31 2125.69,1494.92 1830.08,1494.92 cw(c1830.08,1562) 1763,1562 1763,1565.7 1763,4399 cw(c1838,4399) 1838,4474

## Keep-outs
Keep-Out Layer:
  lines w10: 1762.03,4394.94 cw(c1839.05,4396.98) 1837,4474 ; 1762.87,1563.82 ccw(c1833.54,1565.7) 1835.42,1495.02 ; 1763,1565.7 1763,4394.94 ; 1830.08,1494.92 2125.69,1494.92 cw(c2127.74,1417.67) 2204.99,1419.72 ; 1838,4474 4488,4474 cw(c4490.05,4396.95) 4567.09,4399 ; 2206,1420.62 2206,1051 1775,1051 1775,678 4452.87,678 4452.87,1036 4086,1036 4075,1047 4075,1495 4499.26,1495 ; 4499.26,1495.83 ccw(c4497.41,1565.4) 4566.98,1567.24 4567,4402.17

## Silkscreen, mask and mechanical layers (free items; w line width, h text height)
Top Overlay:
  lines w10: 1567.09,742.03 1587,682 ; 1572.91,4415.03 1593,4475 ; 1577,682.02 1597,681.98 ; 1583,4475.02 1603,4474.98 ; 1589.37,2182.62 1587,682 ; 1590.63,2974.38 1593,4475 ; 1607.09,741.97 1587,682 ; 1612.91,4414.97 1593,4475 ; 1838.4,4582.72 1838.42,4602.72 ; 1898.4,4572.67 1838.41,4592.72 ; 1898.42,4612.67 1838.41,4592.72 ; 2794.03,4592.01 1838.41,4592.72 ; 3575.79,4591.43 4531.41,4590.72 ; 4079,4078 4185,4078 ; 4122,4044 4122,4124 ; 4471.4,4570.76 4531.41,4590.72 ; 4471.43,4610.76 4531.41,4590.72 ; 4531.4,4580.72 4531.42,4600.72
  text "2693.001 (mil)" at 2804,4556.01 h60 r359.96
  text "V G T R" at 2547,4357 h60
  text "3793.005 (mil)" at 1625.38,2192.57 h60 r89.91
  text "V  圈  根  -  G" at 2789,754 h120
  text "绿  V  红" at 2121,750 h120
  text "开关量" at 3826,746 h120
Bottom Overlay:
  text "17.2.23 第四版 加继电器 XUS" at 4454,1964 h120

## Text inside footprints (layer, text, board x,y; h text height)
U1: Top Overlay "1117-3.3" at 2076,2689 h50.11 r90